# Altium PCB viper_eagle_modern.PcbDoc (part 3 of 4)
Units mm, origin at the board's own origin, x right, y up, seen from the top; angles counter-clockwise.
Board outline 285.4 x 100.2 mm, 2 copper layers (Component Side, Bottom Layer), stack 1.571 mm thick; 350 components, 202 nets, 1207 pads, 313 vias.
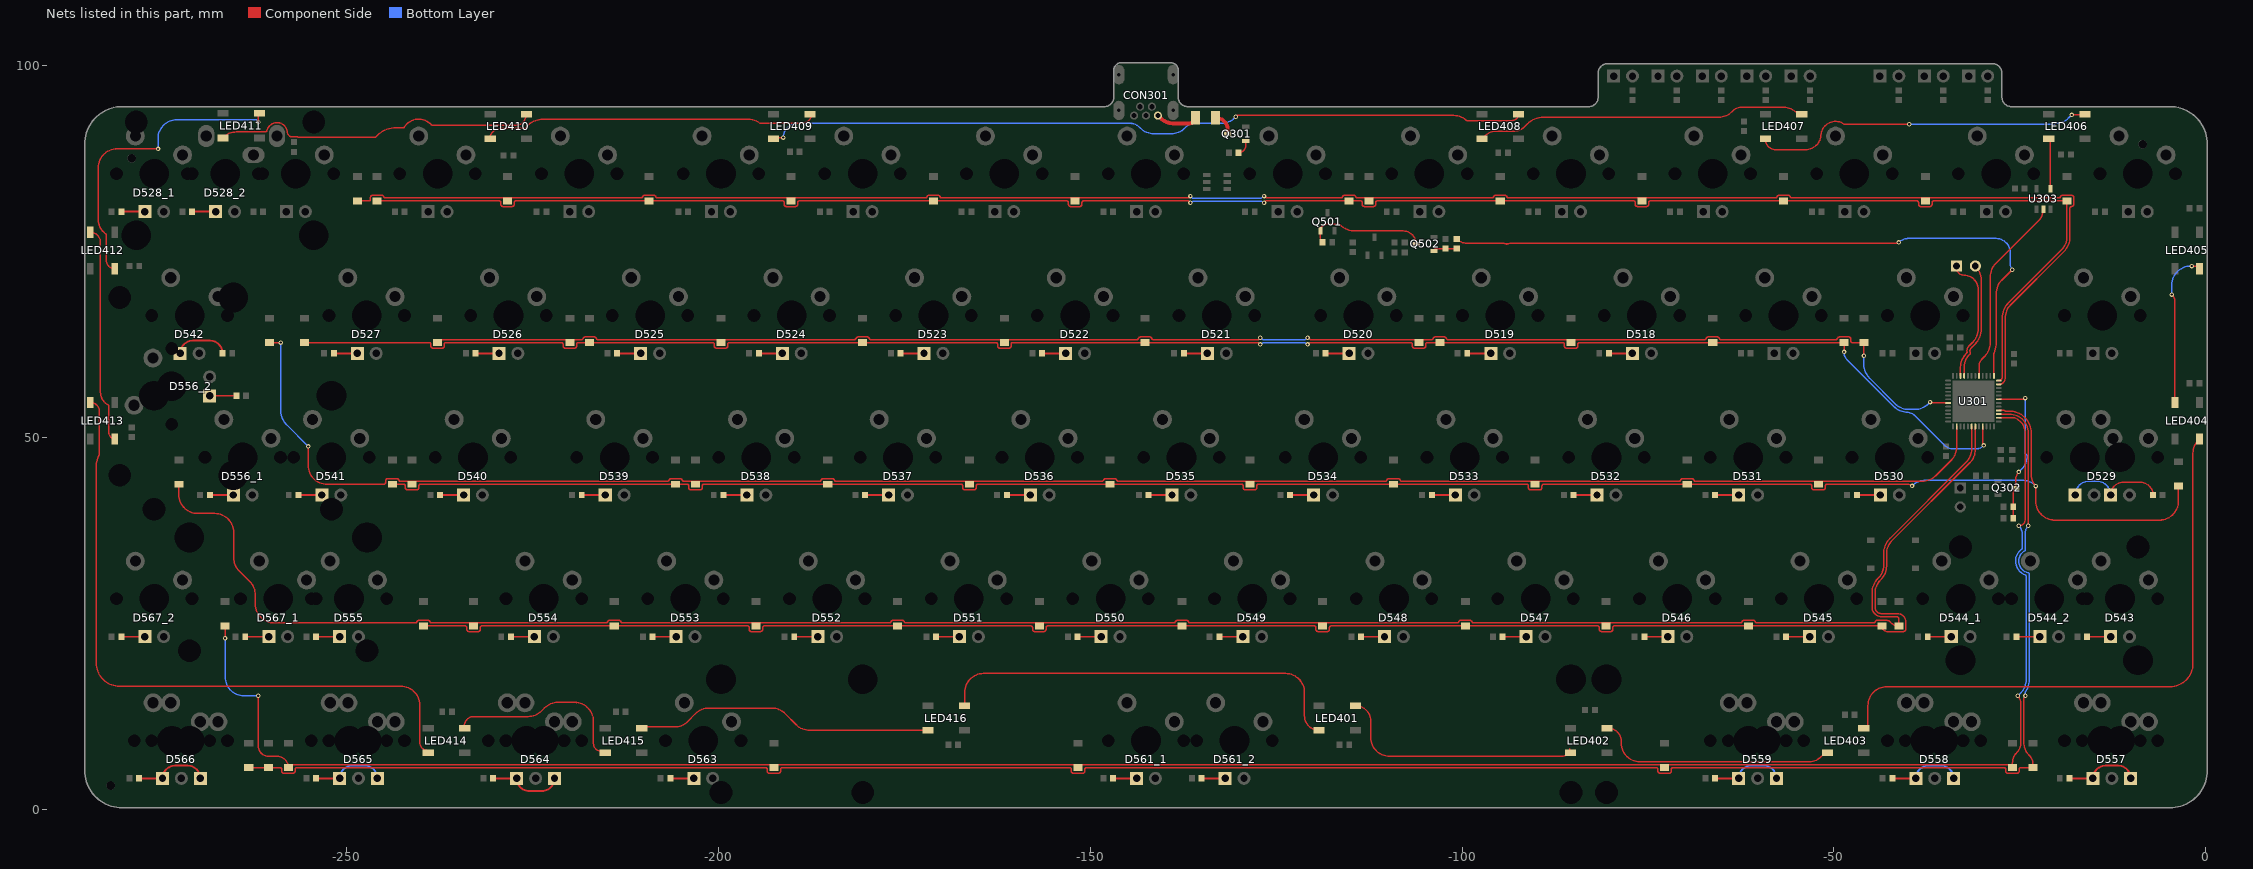
[diagram p3: the nets of this part, all layers, seen from the top]

## Via types
v1: diameter 0.6, hole 0.3, Component Side to Bottom Layer, tented both sides, 287 vias
v2: diameter 0.6, hole 0.3, Component Side to Bottom Layer, tented bottom, 25 vias
v3: diameter 1, hole 0.5, Component Side to Bottom Layer, tented both sides, 1 vias

## Nets (pads, with @x,y where several pads share a name; then routed paths per layer and width w, separated by ;. In a path a pad name is that pad's centre, name@x,y a point inside that pad or via, vN(x,y) a via of type N, cw(c..) or ccw(c..) an arc to the next point about the centre after c; other vN are vias at no path point) (continued)
NetD518_2: D518.2 R518.2 | length 3.2
  Component Side w0.254: R518.2@-80.255,61.285 D518.2@-77.095,61.285
NetD519_2: D519.2 R519.2 | length 3.2
  Component Side w0.254: R519.2@-99.305,61.285 D519.2@-96.145,61.285
NetD520_2: D520.2 R520.2 | length 3.2
  Component Side w0.254: R520.2@-118.355,61.285 D520.2@-115.195,61.285
NetD521_2: D521.2 R521.2 | length 3.2
  Component Side w0.254: R521.2@-137.405,61.285 D521.2@-134.245,61.285
NetD522_2: D522.2 R522.2 | length 3.2
  Component Side w0.254: R522.2@-156.455,61.285 D522.2@-153.295,61.285
NetD523_2: D523.2 R523.2 | length 3.2
  Component Side w0.254: R523.2@-175.505,61.285 D523.2@-172.345,61.285
NetD524_2: D524.2 R524.2 | length 3.2
  Component Side w0.254: R524.2@-194.555,61.285 D524.2@-191.395,61.285
NetD525_2: D525.2 R525.2 | length 3.2
  Component Side w0.254: R525.2@-213.605,61.285 D525.2@-210.445,61.285
NetD526_2: D526.2 R526.2 | length 3.2
  Component Side w0.254: R526.2@-232.655,61.285 D526.2@-229.495,61.285
NetD527_2: D527.2 R527.2 | length 3.2
  Component Side w0.254: R527.2@-251.705,61.285 D527.2@-248.545,61.285
NetD528_1_2: D528_1.2 R528_1.2 | length 3.2
  Component Side w0.254: R528_1.2@-280.274,80.335 D528_1.2@-277.114,80.335
NetD528_2_2: D528_2.2 R528_2.2 | length 3.2
  Component Side w0.254: R528_2.2@-270.749,80.335 D528_2.2@-267.589,80.335
NetD529_2: D529.2 R529.2 | length 14.5
  Component Side w0.203: D529.2@-12.801,42.235 cw(c-11.094,42.235) -11.094,43.942 -8.808,43.942 cw(c-8.808,42.235) R529.2@-7.101,42.235
  Bottom Layer w0.203: D529.2@-17.564,42.235 cw(c-15.73,42.235) -15.73,44.069 -14.635,44.069 cw(c-14.635,42.235) D529.2@-12.801,42.235
NetD530_2: D530.2 R530.2 | length 3.2
  Component Side w0.254: R530.2@-46.917,42.235 D530.2@-43.757,42.235
NetD531_2: D531.2 R531.2 | length 3.2
  Component Side w0.254: R531.2@-65.967,42.235 D531.2@-62.807,42.235
NetD532_2: D532.2 R532.2 | length 3.2
  Component Side w0.254: R532.2@-85.017,42.235 D532.2@-81.857,42.235
NetD533_2: D533.2 R533.2 | length 3.2
  Component Side w0.254: R533.2@-104.067,42.235 D533.2@-100.907,42.235
NetD534_2: D534.2 R534.2 | length 3.2
  Component Side w0.254: R534.2@-123.117,42.235 D534.2@-119.957,42.235
NetD535_2: D535.2 R535.2 | length 3.2
  Component Side w0.254: R535.2@-142.167,42.235 D535.2@-139.007,42.235
NetD536_2: D536.2 R536.2 | length 3.2
  Component Side w0.254: R536.2@-161.217,42.235 D536.2@-158.057,42.235
NetD537_2: D537.2 R537.2 | length 3.2
  Component Side w0.254: R537.2@-180.267,42.235 D537.2@-177.107,42.235
NetD538_2: D538.2 R538.2 | length 3.2
  Component Side w0.254: R538.2@-199.317,42.235 D538.2@-196.157,42.235
NetD539_2: D539.2 R539.2 | length 3.2
  Component Side w0.254: R539.2@-218.367,42.235 D539.2@-215.207,42.235
NetD540_2: D540.2 R540.2 | length 3.2
  Component Side w0.254: R540.2@-237.417,42.235 D540.2@-234.257,42.235
NetD541_2: D541.2 R541.2 | length 3.2
  Component Side w0.254: R541.2@-256.462,42.235 D541.2@-253.301,42.235
NetD542_2: D542.2 R542.2 | length 7.6
  Component Side w0.254: D542.2@-272.357,61.285 cw(c-270.651,61.285) -270.651,62.992 -268.364,62.992 cw(c-268.364,61.285) R542.2@-266.657,61.285
NetD543_2: D543.2 R543.2 | length 3.3
  Component Side w0.254: R543.2@-15.961,23.185 D543.2@-12.801,23.185 ccw(c-12.936,23.05) D543.2@-12.936,23.241
NetD544_1_2: D544_1.2 R544.2 | length 3.2
  Component Side w0.254: R544.2@-37.39,23.185 D544_1.2@-34.23,23.185
NetD544_2_2: D544_2.2 R554_2.2 | length 3.2
  Component Side w0.254: R554_2.2@-25.486,23.185 D544_2.2@-22.326,23.185
NetD545_2: D545.2 R545.2 | length 3.2
  Component Side w0.254: R545.2@-56.442,23.185 D545.2@-53.282,23.185
NetD546_2: D546.2 R546.2 | length 3.2
  Component Side w0.254: R546.2@-75.492,23.185 D546.2@-72.332,23.185
NetD547_2: D547.2 R547.2 | length 3.2
  Component Side w0.254: R547.2@-94.542,23.185 D547.2@-91.382,23.185
NetD548_2: D548.2 R548.2 | length 3.2
  Component Side w0.254: R548.2@-113.592,23.185 D548.2@-110.432,23.185
NetD549_2: D549.2 R549.2 | length 3.2
  Component Side w0.254: R549.2@-132.642,23.185 D549.2@-129.482,23.185
NetD550_2: D550.2 R550.2 | length 3.2
  Component Side w0.254: R550.2@-151.692,23.185 D550.2@-148.532,23.185
NetD551_2: D551.2 R551.2 | length 3.2
  Component Side w0.254: R551.2@-170.742,23.185 D551.2@-167.582,23.185
NetD552_2: D552.2 R552.2 | length 3.2
  Component Side w0.254: R552.2@-189.792,23.185 D552.2@-186.632,23.185
NetD553_2: D553.2 R553.2 | length 3.2
  Component Side w0.254: R553.2@-208.842,23.185 D553.2@-205.682,23.185
NetD554_2: D554.2 R554.2 | length 3.2
  Component Side w0.254: R554.2@-227.892,23.185 D554.2@-224.732,23.185
NetD555_2: D555.2 R555.2 | length 3.2
  Component Side w0.254: R555.2@-254.085,23.185 D555.2@-250.925,23.185
NetD556_1_2: D556_1.2 R556.2 | length 3.2
  Component Side w0.254: R556.2@-268.38,42.235 D556_1.2@-265.22,42.235
NetD556_2_2: D556_2.2 R556_2.2 | length 3.2
  Component Side w0.254: D556_2.2@-268.4,55.575 -265.24,55.575
NetD557_2: D557.2 R557.2 | length 10.2
  Component Side w0.254: R557.2@-18.342,4.135 D557.2@-15.182,4.135 cw(c-13.476,4.135) -13.476,5.842 -11.809,5.842 cw(c-11.809,4.135) D557.2@-10.102,4.135
NetD558_2: D558.2 R558.2 | length 10.2
  Component Side w0.254: R558.2@-42.149,4.135 D558.2@-38.989,4.135
  Bottom Layer w0.254: D558.2@-38.989,4.135 cw(c-37.282,4.135) -37.282,5.842 -35.616,5.842 cw(c-35.616,4.135) D558.2@-33.909,4.135
NetD559_2: D559.2 R559.2 | length 10.2
  Component Side w0.254: R559.2@-65.967,4.135 D559.2@-62.807,4.135
  Bottom Layer w0.254: D559.2@-62.807,4.135 cw(c-61.1,4.135) -61.1,5.842 -59.434,5.842 cw(c-59.434,4.135) D559.2@-57.727,4.135
NetD561_1_2: D561_1.2 R561_1.2 | length 3.2
  Component Side w0.254: R561_1.2@-146.929,4.135 D561_1.2@-143.769,4.135
NetD561_2_2: D561_2.2 R561_2.2 | length 3.2
  Component Side w0.254: R561_2.2@-135.023,4.135 D561_2.2@-131.863,4.135
NetD563_2: D563.2 R563.2 | length 3.2
  Component Side w0.254: R563.2@-206.461,4.135 D563.2@-203.301,4.135
NetD564_2: D564.2 R654.2 | length 10.2
  Component Side w0.254: R654.2@-230.273,4.135 D564.2@-227.113,4.135 ccw(c-225.406,4.135) -225.406,2.428 -223.74,2.428 ccw(c-223.74,4.135) D564.2@-222.033,4.135
NetD565_2: D565.2 R565.2 | length 10.2
  Component Side w0.254: R565.2@-254.08,4.135 D565.2@-250.92,4.135
  Bottom Layer w0.254: D565.2@-250.92,4.135 cw(c-249.213,4.135) -249.213,5.842 -247.547,5.842 cw(c-247.547,4.135) D565.2@-245.84,4.135
NetD566_2: D566.2 R566.2 | length 10.2
  Component Side w0.254: R566.2@-277.898,4.135 D566.2@-274.738,4.135 cw(c-273.031,4.135) -273.031,5.842 -271.365,5.842 cw(c-271.365,4.135) D566.2@-269.658,4.135
NetD567_1_2: D567_1.2 R567_1.2 | length 3.2
  Component Side w0.254: R567_1.2@-263.61,23.185 D567_1.2@-260.45,23.185
NetD567_2_2: D567_2.2 R567_2.2 | length 3.2
  Component Side w0.254: R567_2.2@-280.28,23.185 D567_2.2@-277.12,23.185
NetF301_1: F301.1 Q301.3 | length 3.1
  Component Side w0.508: F301.1@-133.143,92.964 cw(c-133.143,91.323) -131.502,91.323 Q301.3@-131.502,90.805
NetLED401_2: LED401.2 LED402.4 | length 34.2
  Component Side w0.203: LED401.2@-114.333,13.9 cw(c-114.333,11.842) -112.275,11.842 -112.275,9.634 ccw(c-109.735,9.634) -109.735,7.094 -106.553,7.094 -90.678,7.094 -86.543,7.094 ccw(c-86.543,8.129) -85.508,8.129
NetLED401_4: LED401.4 LED416.2 | length 56.5
  Component Side w0.203: LED416.2@-166.889,13.992 -166.889,15.7 cw(c-164.349,15.7) -164.349,18.24 -123.734,18.24 cw(c-123.734,15.7) -121.194,15.7 -121.194,12.561 ccw(c-119.233,12.561) LED401.4@-119.233,10.6
NetLED402_2: LED402.2 LED403.4 | length 33.2
  Component Side w0.203: LED402.2@-80.519,10.865 -80.316,10.865 cw(c-80.316,9.162) -78.613,9.162 -78.613,8.89 ccw(c-76.109,8.89) -76.109,6.386 -72.517,6.386 -66.929,6.386 -53.261,6.386 ccw(c-53.261,8.43) -51.816,6.985 cw(c-50.587,5.756) -50.587,7.494 LED403.4@-50.329,7.494
NetLED403_2: LED403.2 LED404.4 | length 80.5
  Component Side w0.203: LED403.2@-45.429,10.794 -45.429,13.922 cw(c-42.889,13.922) -42.889,16.462 -4.826,16.462 ccw(c-4.826,19.558) -1.73,19.558 -1.73,47.852 cw(c0.81,47.852) -0.986,49.649 LED404.4@-0.85,49.785
NetLED404_2: LED404.2 LED405.4 | length 21.3
  Component Side w0.203: v1(-4.571,69.178) cw(c-5.587,68.162) -4.15,68.162 LED404.2@-4.15,54.685 ; v1(-1.906,73.024) -1.209,73.024 cw(c-1.209,72.665) LED405.4@-0.85,72.665
  Bottom Layer w0.203: v1(-4.571,69.178) -4.571,70.484 cw(c-2.031,70.484) -2.031,73.024 v1(-1.906,73.024)
NetLED406_2: LED406.2 LED407.4 | length 46.1
  Component Side w0.203: LED407.4@-59.225,90.086 ccw(c-57.807,90.086) -57.807,88.668 -53.84,88.668 ccw(c-53.84,90.805) -51.953,89.802 ccw(c-53.84,90.805) -51.766,90.294 ccw(c-51.963,90.343) -51.76,90.357 cw(c-49.79,90.495) -51.332,91.728 cw(c-49.79,90.495) -50.388,92.377 ; -50.369,92.383 cw(c-49.79,90.495) -50.368,92.383 cw(c-49.79,90.495) -48.656,92.112 ccw(c-48.539,92.278) -48.539,92.075 -48.006,92.075 -44.455,92.075 v1(-39.878,92.075) ; v1(-18.033,93.344) v1(-18.033,93.344) LED406.2@-16.473,93.344
  Bottom Layer w0.203: v1(-39.878,92.075) -20.354,92.075 -20.227,92.202 ccw(c-20.227,94.742) -18.431,92.946 v1(-18.033,93.344)
NetLED406_4: LED406.4 U303.4 | length 6.9
  Component Side w0.203: LED406.4@-21.373,90.044 cw(c-21.373,89.565) -20.894,89.565 U303.4@-20.894,83.417
NetLED407_2: LED407.2 LED408.4 | length 43.8
  Component Side w0.203: LED408.4@-97.325,90.15 -97.041,90.434 cw(c-95.245,88.638) -95.245,91.178 -92.894,91.178 ccw(c-92.894,92.894) -91.68,91.68 -91.24,92.121 cw(c-89.052,89.931) -89.052,93.027 -65.506,93.027 ccw(c-65.506,95.567) -63.709,93.771 -63.596,93.884 ; -63.595,93.885 cw(c-62.445,92.733) -62.445,94.361 -56.769,94.361 cw(c-56.769,91.821) -54.973,93.617 LED407.2@-54.954,93.598
NetLED408_2: LED408.2 LED409.4 | length 102.8
  Component Side w0.203: LED409.4@-192.315,90.297 v1(-191.262,90.297) ; v1(-130.429,93.091) -130.333,93.187 cw(c-130.254,93.187) -130.254,93.266 -101.092,93.266 cw(c-101.092,90.805) -99.447,92.635 ccw(c-99.311,92.786) -99.311,92.583 -97.79,92.583 -93.292,92.583 ccw(c-93.292,93.45) LED408.2@-92.425,93.45
  Bottom Layer w0.203: v1(-191.262,90.297) cw(c-189.357,90.297) -189.357,92.202 -144.609,92.202 cw(c-144.609,90.468) -143.383,91.694 -143.238,91.549 ccw(c-141.442,93.345) -141.442,90.805 -139.101,90.805 ccw(c-139.101,93.345) -137.305,91.549 -137.287,91.567 cw(c-135.754,90.034) -135.754,92.202 -132.37,92.202 ccw(c-132.37,94.742) -130.574,92.946 v1(-130.429,93.091)
NetLED409_2: LED409.2 LED410.4 | length 45.6
  Component Side w0.203: LED410.4@-230.796,89.917 cw(c-229.146,89.917) -229.146,91.567 -227.076,91.567 -226.026,91.567 ccw(c-226.026,91.77) -225.865,91.646 ; -225.864,91.646 cw(c-223.611,89.917) -225.063,92.359 ; -225.062,92.359 cw(c-223.611,89.917) -223.611,92.758 -221.53,92.758 ccw(c-221.53,92.961) -221.506,92.759 cw(c-221.24,90.495) -220.974,92.759 ccw(c-220.95,92.961) -220.95,92.758 -204.089,92.758 -202.48,92.758 ccw(c-202.48,92.961) -202.456,92.759 cw(c-202.19,90.495) -201.924,92.759 ccw(c-201.9,92.961) -201.9,92.758 -195.961,92.758 cw(c-195.961,90.297) -194.457,92.244 ccw(c-194.333,92.405) -194.333,92.202 -188.811,92.202 ccw(c-188.811,93.598) LED409.2@-187.415,93.598
NetLED410_2: LED410.2 LED411.4 | length 45
  Component Side w0.203: LED411.4@-266.61,90.298 -266.602,90.306 cw(c-264.806,88.51) -264.806,91.05 -260.96,91.05 cw(c-260.96,90.748) -260.927,91.048 -260.927,91.059 -260.902,91.059 ccw(c-260.902,91.262) -260.705,91.215 ; -260.704,91.216 cw(c-259.34,90.895) -259.198,92.289 cw(c-259.34,90.895) -257.961,91.148 cw(c-259.34,90.895) -257.941,90.975 ccw(c-257.738,90.987) -257.935,90.937 ccw(c-257.111,91.148) -257.524,90.404 ccw(c-257.425,90.582) -257.425,90.379 -257.11,90.379 -256.623,90.379 cw(c-256.623,90.077) -256.514,90.358 ccw(c-256.441,90.548) -256.441,90.345 -253.506,90.345 -250.571,90.345 -246.183,90.345 ccw(c-246.184,90.548) -246.034,90.411 cw(c-243.332,87.955) -244.883,91.26 cw(c-243.332,87.955) -243.332,91.606 -242.824,91.606 -242.396,91.606 ccw(c-242.396,91.809) -242.224,91.702 cw(c-240.29,90.495) -238.61,92.036 ; -239.18,92.486 cw(c-240.29,90.495) -238.61,92.036 ; LED410.2@-225.896,93.217 cw(c-227.143,93.217) -227.143,91.97 -229.147,91.97 -238.46,91.97 cw(c-238.46,92.173) -238.609,92.035 cw(c-238.46,92.173) -238.61,92.036
NetLED411_2: LED411.2 LED412.4 | length 42
  Component Side w0.203: LED412.4@-281.15,72.665 cw(c-281.15,73.836) -282.321,73.836 -282.321,77.235 ccw(c-282.524,77.235) -282.374,77.371 -282.38,77.378 -282.381,77.379 cw(c-281.15,79.244) -283.385,79.244 -283.385,86.233 cw(c-280.845,86.233) -280.845,88.773 v1(-275.336,88.773) ; v1(-261.874,92.329) -261.874,93.434 cw(c-261.71,93.434) LED411.2@-261.71,93.598
  Bottom Layer w0.203: v1(-275.336,88.773) -275.336,90.17 cw(c-272.796,90.17) -272.796,92.71 -262.255,92.71 cw(c-262.255,92.329) v1(-261.874,92.329)
NetLED412_2: LED412.2 LED413.4 | length 29.4
  Component Side w0.203: LED412.2@-284.45,77.565 cw(c-284.45,76.198) -283.083,76.198 -283.083,56.062 ccw(c-281.15,56.062) -282.713,54.925 ccw(c-281.15,56.062) -282.049,54.351 cw(c-282.144,54.171) -281.94,54.177 cw(c-282.713,54.152) -281.94,54.152 -281.94,50.575 ccw(c-281.15,50.575) LED413.4@-281.15,49.785
NetLED413_2: LED413.2 LED414.4 | length 89.3
  Component Side w0.203: LED413.2@-284.45,54.685 cw(c-284.45,53.445) -283.21,53.445 -283.21,50.567 ; LED414.4@-239.051,7.875 cw(c-239.051,8.981) -240.157,8.981 -240.157,13.995 ccw(c-242.697,13.995) -242.697,16.535 -280.543,16.535 cw(c-280.543,19.631) -282.289,17.074 cw(c-280.543,19.631) -283.212,18.063 cw(c-280.543,19.631) -283.639,19.631 -283.639,46.228 cw(c-281.051,46.228) -283.241,47.606 ccw(c-283.413,47.714) -283.21,47.713 -283.21,50.565 ; -283.21,50.565 ccw(c-283.413,50.566) -283.21,50.567 ; -283.21,50.565 -283.21,50.567
NetLED414_2: LED414.2 LED415.4 | length 24.8
  Component Side w0.203: LED414.2@-234.151,11.175 cw(c-232.88,11.175) -232.88,12.446 -225.588,12.446 ccw(c-225.588,14.986) -223.792,13.19 -223.375,13.607 cw(c-221.579,11.811) -221.579,14.351 -219.329,14.351 cw(c-219.329,11.811) -217.308,13.35 cw(c-219.329,11.811) -216.789,11.811 -216.789,8.854 ccw(c-215.683,8.854) -215.916,7.773 ccw(c-215.683,8.854) LED415.4@-215.683,7.748
NetLED415_2: LED415.2 LED416.4 | length 40.8
  Component Side w0.203: LED415.2@-210.783,11.048 -205.904,11.048 ccw(c-205.904,13.588) -204.108,11.792 -203.055,12.845 cw(c-201.259,11.049) -201.259,13.589 -192.822,13.589 cw(c-192.822,11.049) -191.026,12.845 -189.525,11.344 ccw(c-187.729,13.14) -187.729,10.6 LED416.4@-171.789,10.6
NetQ301_1: Q301.1 R301.1 | length 2.1
  Component Side w0.203: R301.1@-130.033,88.265 ccw(c-130.033,89.196) -129.102,89.196 Q301.1@-129.102,89.855
NetQ501_1: Q501.1 Q502.3 R568.1 | length 16.2
  Component Side w0.203: R568.1@-118.76,76.2 cw(c-118.036,76.924) -119.06,76.924 Q501.1@-119.06,77.794 cw(c-118.241,77.794) -118.241,78.613 -116.589,78.613 cw(c-116.588,78.41) -116.451,78.56 ccw(c-114.328,80.899) -114.328,77.74 -107.916,77.74 cw(c-107.916,76) Q502.3@-106.176,76
NetQ502_1: Q502.1 R569.2 R570.1 | length 3.2
  Component Side w0.203: Q502.1@-103.776,75.05 cw(c-103.476,75.05) -103.476,75.35 R569.2@-100.711,75.35
NRST: C317.1 Q302.3 R303.2 U301.7 | length 20.4
  Component Side w0.203: U301.7@-27.842,55.114 -26.67,55.114 -24.677,55.114 ccw(c-24.677,55.662) v1(-24.29,55.275) ; C317.1@-25.893,39.131 -25.893,42.357 cw(c-24.708,42.357) Q302.3@-25.546,43.195 -25.546,44.373 cw(c-24.18,44.373) v1(-25.146,45.339)
  Bottom Layer w0.203: v1(-25.146,45.339) -24.747,45.738 ccw(c-26.543,47.534) -24.003,47.534 -24.29,47.821 v1(-24.29,55.275)
PA1: D202.2 D204.2 D206.2 D208.2 D210.2 D212.2 D214.2 U301.11 | length 262.9
  Component Side w0.203: D214.2@-248.539,81.78 -246.987,81.78 ccw(c-246.987,81.983) -246.784,81.983 -246.784,82.235 cw(c-246.482,82.235) -246.482,82.537 -245.262,82.537 cw(c-245.262,82.235) -244.974,82.325 ccw(c-244.78,82.386) -244.78,82.183 -242.697,82.183 -228.346,82.183 -210.388,82.183 ccw(c-210.388,82.386) -210.194,82.325 cw(c-209.906,82.235) -209.906,82.537 -208.686,82.537 cw(c-208.686,82.235) -208.398,82.325 ccw(c-208.204,82.386) -208.204,82.183 -203.835,82.183 -190.246,82.183 -172.161,82.183 ccw(c-172.161,82.386) -171.967,82.325 cw(c-171.679,82.235) -171.679,82.537 -170.459,82.537 cw(c-170.459,82.235) -170.171,82.325 ccw(c-169.977,82.386) -169.977,82.183 -161.163,82.183 -136.765,82.183 v1(-136.525,82.423) ; v1(-126.619,82.423) -126.379,82.183 -122.174,82.183 -116.281,82.183 ccw(c-116.281,82.386) -116.087,82.325 cw(c-115.799,82.235) -115.799,82.537 -114.579,82.537 cw(c-114.579,82.235) -114.291,82.325 ccw(c-114.097,82.386) -114.097,82.183 -113.867,82.183 -107.315,82.183 -95.961,82.183 ccw(c-95.961,82.386) -95.767,82.325 cw(c-95.479,82.235) -95.479,82.537 -94.259,82.537 cw(c-94.259,82.235) -93.971,82.325 ccw(c-93.777,82.386) -93.777,82.183 -77.978,82.183 -72.644,82.183 -57.861,82.183 ccw(c-57.861,82.386) -57.667,82.325 cw(c-57.379,82.235) -57.379,82.537 -56.159,82.537 cw(c-56.159,82.235) -55.871,82.325 ccw(c-55.677,82.386) -55.677,82.183 -39.116,82.183 -37.719,82.183 -19.761,82.183 ccw(c-19.761,82.386) -19.567,82.325 cw(c-19.279,82.235) -19.279,82.537 -18.059,82.537 cw(c-18.059,82.235) -17.757,82.235 -17.757,81.325 cw(c-18.059,81.325) -18.059,81.023 -18.063,81.023 ccw(c-18.063,80.82) -18.266,80.82 -18.266,76.996 cw(c-21.209,76.996) -19.127,74.915 -26.232,67.81 ccw(c-24.436,66.014) -26.976,66.014 -26.976,57.98 cw(c-27.842,57.98) -27.185,57.416 ccw(c-27.031,57.283) -27.204,57.39 cw(c-27.567,57.614) -27.453,57.203 ccw(c-27.398,57.007) -27.483,57.192 cw(c-27.842,57.98) U301.11@-27.842,57.114
  Bottom Layer w0.203: v1@-136.398,82.296 -136.271,82.169 -126.98,82.169 -126.726,82.423 v1(-126.619,82.423)
PA2: D201.2 D203.2 D205.2 D207.2 D209.2 D211.2 D213.2 U301.12 | length 261.9
  Component Side w0.203: D213.2@-245.872,81.78 -229.461,81.78 cw(c-229.461,81.577) -229.258,81.577 -229.258,81.325 ccw(c-228.956,81.325) -228.956,81.023 -227.736,81.023 ccw(c-227.736,81.325) -227.434,81.325 -227.434,81.577 cw(c-227.231,81.577) -227.231,81.78 D211.2@-209.296,81.78 -191.361,81.78 cw(c-191.361,81.577) -191.158,81.577 -191.158,81.325 ccw(c-190.856,81.325) -190.856,81.023 -189.636,81.023 ccw(c-189.636,81.325) -189.334,81.325 -189.334,81.577 cw(c-189.131,81.577) -189.131,81.78 D209.2@-171.069,81.78 -153.134,81.78 cw(c-153.134,81.577) -152.931,81.577 -152.931,81.325 ccw(c-152.629,81.325) -152.629,81.023 -151.409,81.023 ccw(c-151.409,81.325) -151.107,81.325 -151.107,81.577 cw(c-150.904,81.577) -150.904,81.78 -136.771,81.78 v1(-136.525,81.534) ; v1(-126.619,81.534) -126.373,81.78 D207.2@-115.189,81.78 -113.637,81.78 cw(c-113.637,81.577) -113.434,81.577 -113.434,81.325 ccw(c-113.132,81.325) -113.132,81.023 -111.912,81.023 ccw(c-111.912,81.325) -111.61,81.325 -111.61,81.577 cw(c-111.407,81.577) -111.407,81.78 D205.2@-94.869,81.78 -91.948,81.78 -76.934,81.78 cw(c-76.934,81.577) -76.731,81.577 -76.731,81.325 ccw(c-76.429,81.325) -76.429,81.023 -75.209,81.023 ccw(c-75.209,81.325) -74.907,81.325 -74.907,81.577 cw(c-74.704,81.577) -74.704,81.78 D203.2@-56.769,81.78 -38.834,81.78 cw(c-38.834,81.577) -38.631,81.577 -38.631,81.325 ccw(c-38.329,81.325) -38.329,81.023 -37.109,81.023 ccw(c-37.109,81.325) -36.807,81.325 -36.807,81.577 cw(c-36.604,81.577) -36.604,81.78 D201.2@-18.669,81.78 -18.669,76.996 cw(c-21.209,76.996) -19.413,75.199 -26.518,68.095 ccw(c-24.436,66.014) -27.379,66.014 -27.379,58.077 cw(c-27.842,58.077) U301.12@-27.842,57.614
  Bottom Layer w0.203: v1(-136.525,81.534) -136.449,81.61 -136.322,81.61 -136.166,81.766 -126.958,81.766 -126.726,81.534 v1(-126.619,81.534)
PA3: R569.1 U301.13 | length 93.3
  Component Side w0.203: R569.1@-100.711,76.65 ccw(c-99.318,78.043) -99.318,76.073 -94.459,76.073 cw(c-94.458,75.87) -94.384,76.059 ccw(c-93.98,77.089) -93.576,76.059 cw(c-93.502,75.87) -93.501,76.073 -41.582,76.073 ccw(c-41.582,76.507) v1(-41.275,76.2) ; U301.13@-28.492,58.264 -28.492,59.309 -28.492,61.236 cw(c-28.289,61.236) -28.474,61.318 ccw(c-31.532,62.678) -28.194,62.44 cw(c-27.991,62.425) -28.194,62.445 ccw(c-29.843,62.609) -28.186,62.609 -28.186,69.314 cw(c-25.646,69.314) -27.442,71.11 v1(-26.035,72.517)
  Bottom Layer w0.203: v1(-41.275,76.2) cw(c-39.995,74.92) -41.194,76.276 cw(c-39.995,74.92) -40.695,76.589 cw(c-39.995,74.92) -40.278,76.708 cw(c-39.995,74.92) -39.995,76.73 -28.216,76.73 cw(c-28.216,74.803) -26.289,74.803 -26.289,73.194 ccw(c-25.422,73.194) v1@-26.036,72.581 ; v1(-26.035,72.517) v1@-26.035,72.58
"PA7 - MOSI": U301.17 U303.2 | length 25.6
  Component Side w0.203: U301.17@-30.492,58.264 -30.492,59.528 cw(c-29.048,59.528) -30.069,60.549 -29.736,60.882 ccw(c-31.532,62.678) -28.992,62.678 -28.992,71.556 cw(c-26.452,71.556) -28.248,73.352 -22.488,79.112 ccw(c-24.043,80.667) U303.2@-21.844,80.667
PA10: D216.2 D218.2 D220.2 D222.2 D224.2 D226.2 D228.2 U301.31 | length 212.4
  Component Side w0.203: v1(-127.127,63.373) -127.367,63.133 -141.529,63.133 cw(c-141.529,63.336) -141.723,63.275 ccw(c-142.011,63.185) -142.011,63.487 -143.231,63.487 ccw(c-143.231,63.185) -143.519,63.275 cw(c-143.713,63.336) -143.713,63.133 -158.623,63.133 -164.084,63.133 -179.502,63.133 cw(c-179.502,63.336) -179.696,63.275 ccw(c-179.984,63.185) -179.984,63.487 -181.204,63.487 ccw(c-181.204,63.185) -181.492,63.275 cw(c-181.686,63.336) -181.686,63.133 -197.104,63.133 -201.93,63.133 -216.205,63.133 cw(c-216.205,63.336) -216.399,63.275 ccw(c-216.687,63.185) -216.687,63.487 -217.907,63.487 ccw(c-217.907,63.185) -218.195,63.275 cw(c-218.389,63.336) -218.389,63.133 -236.771,63.133 ccw(c-236.771,61.757) D228.2@-237.556,62.887 ; v1(-120.777,63.373) -120.67,63.373 -120.43,63.133 -106.905,63.133 -105.791,63.133 -104.089,63.133 ccw(c-104.089,63.336) -103.895,63.275 cw(c-103.607,63.185) -103.607,63.487 -102.387,63.487 cw(c-102.387,63.185) -102.099,63.275 ccw(c-101.905,63.336) -101.905,63.133 -87.376,63.133 -77.724,63.133 -67.386,63.133 ccw(c-67.386,63.336) -67.192,63.275 cw(c-66.904,63.185) -66.904,63.487 -65.684,63.487 cw(c-65.684,63.185) -65.396,63.275 ccw(c-65.202,63.336) -65.202,63.133 -49.733,63.133 ccw(c-49.733,63.336) -49.539,63.275 cw(c-49.251,63.185) -49.251,63.487 -48.031,63.487 cw(c-48.031,63.185) -47.729,63.185 -47.729,62.933 ccw(c-47.526,62.933) -47.526,62.73 D216.2@-45.974,62.73 v1(-45.974,60.96) ; v1(-37.084,54.737) ccw(c-36.961,54.737) -36.961,54.614 U301.31@-34.642,54.614 ; D228.2@-237.556,62.887 ccw(c-236.771,61.757) D228.2@-237.744,62.73 cw(c-237.587,62.73) -237.587,62.887 D228.2@-237.556,62.887
  Bottom Layer w0.203: v1(-127.127,63.373) -127.02,63.373 -126.766,63.119 -121.138,63.119 -120.884,63.373 v1(-120.777,63.373) ; v1(-45.974,60.96) -45.974,59.764 ccw(c-43.434,59.764) -45.23,57.968 -41.749,54.487 ccw(c-39.953,56.283) -39.953,53.743 -39.13,53.743 ccw(c-39.13,56.283) -37.334,54.487 v1(-37.084,54.737)
PA15: D230.2 D232.2 D234.2 D236.2 D238.2 D240.2 D242.2 U301.38 | length 249.9
  Component Side w0.203: D242.2@-260.35,62.73 -260.35,62.738 v1(-258.826,62.738) ; v1(-255.143,48.768) -255.143,46.22 ccw(c-252.603,46.22) -252.603,43.68 -244.955,43.68 ccw(c-244.955,43.883) -244.752,43.883 -244.752,44.135 cw(c-244.45,44.135) -244.45,44.437 -243.23,44.437 cw(c-243.23,44.135) -242.942,44.225 ccw(c-242.748,44.286) -242.748,44.083 -242.518,44.083 -238.379,44.083 -206.832,44.083 ccw(c-206.832,44.286) -206.638,44.225 cw(c-206.35,44.135) -206.35,44.437 -205.13,44.437 cw(c-205.13,44.135) -204.842,44.225 ccw(c-204.648,44.286) -204.648,44.083 -203.073,44.083 -196.469,44.083 -186.385,44.083 ccw(c-186.385,44.286) -186.191,44.225 cw(c-185.903,44.135) -185.903,44.437 -184.683,44.437 cw(c-184.683,44.135) -184.395,44.225 ccw(c-184.201,44.286) -184.201,44.083 -173.228,44.083 -169.037,44.083 -164.338,44.083 -148.412,44.083 ccw(c-148.412,44.286) -148.218,44.225 cw(c-147.93,44.135) -147.93,44.437 -146.71,44.437 cw(c-146.71,44.135) -146.422,44.225 ccw(c-146.228,44.286) -146.228,44.083 -144.018,44.083 -111.379,44.083 -110.311,44.083 ccw(c-110.312,44.286) -110.118,44.225 cw(c-109.83,44.135) -109.83,44.437 -108.61,44.437 cw(c-108.61,44.135) -108.322,44.225 ccw(c-108.128,44.286) -108.128,44.083 -102.108,44.083 -75.057,44.083 -70.815,44.083 ; -70.814,44.083 ccw(c-70.815,44.286) -70.621,44.225 cw(c-70.333,44.135) -70.333,44.437 -69.113,44.437 cw(c-69.113,44.135) -68.825,44.225 ccw(c-68.631,44.286) -68.632,44.083 ; -68.631,44.083 -52.07,44.083 -38.122,44.083 ccw(c-38.122,46.623) -36.326,44.827 -34.236,46.917 ccw(c-36.032,48.713) -33.492,48.713 -33.492,50.639 U301.38@-33.492,51.464
  Bottom Layer w0.203: v1(-258.826,62.738) -258.826,53.503 ccw(c-256.286,53.503) -258.082,51.707 v1(-255.143,48.768)
PB6: D244.2 D246.2 D248.2 D250.2 D252.2 D254.2 D256.2 U301.42 | length 282.2
  Component Side w0.203: D256.2@-272.542,43.68 -272.542,42.291 ccw(c-270.002,42.291) -270.002,39.751 -267.716,39.751 cw(c-267.716,37.211) -265.176,37.211 -265.176,33.818 ccw(c-262.636,33.818) -265.176,33.782 ccw(c-262.636,33.818) -264.432,32.022 -262.999,30.589 cw(c-264.795,28.793) -262.255,28.793 -262.255,27.573 ccw(c-259.715,27.573) -259.715,25.033 -258.318,25.033 -240.741,25.033 ccw(c-240.741,25.236) -240.547,25.175 cw(c-240.259,25.085) -240.259,25.387 -239.039,25.387 cw(c-239.039,25.085) -238.751,25.175 ccw(c-238.557,25.236) -238.557,25.033 -232.918,25.033 -228.473,25.033 -215.087,25.033 ccw(c-215.087,25.236) -214.893,25.175 cw(c-214.605,25.085) -214.605,25.387 -213.385,25.387 cw(c-213.385,25.085) -213.097,25.175 ccw(c-212.903,25.236) -212.903,25.033 -176.987,25.033 ccw(c-176.987,25.236) -176.793,25.175 cw(c-176.505,25.085) -176.505,25.387 -175.285,25.387 cw(c-175.285,25.085) -174.997,25.175 ccw(c-174.803,25.236) -174.803,25.033 -138.76,25.033 ccw(c-138.76,25.236) -138.566,25.175 cw(c-138.278,25.085) -138.278,25.387 -137.058,25.387 cw(c-137.058,25.085) -136.77,25.175 ccw(c-136.576,25.236) -136.576,25.033 -118.745,25.033 -105.156,25.033 -100.66,25.033 ccw(c-100.66,25.236) -100.466,25.175 cw(c-100.178,25.085) -100.178,25.387 -98.958,25.387 cw(c-98.958,25.085) -98.67,25.175 ccw(c-98.476,25.236) -98.476,25.033 -62.56,25.033 ccw(c-62.56,25.236) -62.366,25.175 cw(c-62.078,25.085) -62.078,25.387 -60.858,25.387 cw(c-60.858,25.085) -60.57,25.175 ccw(c-60.376,25.236) -60.376,25.033 -44.653,25.033 ccw(c-44.653,25.236) -44.459,25.175 cw(c-44.171,25.085) -44.171,25.387 -42.951,25.387 cw(c-42.951,24.681) -42.452,25.18 -42.291,25.019 ccw(c-41.352,25.958) -41.352,24.63 D244.2@-41.275,24.63 -41.275,25.551 ccw(c-41.609,25.551) -41.609,25.886 -43.609,25.886 cw(c-43.609,27.153) -44.876,27.153 -44.876,29.075 cw(c-42.054,29.075) -44.232,30.868 -44.208,30.893 ccw(c-44.351,31.037) -44.195,30.907 cw(c-41.933,29.024) -44.014,31.105 -43.956,31.163 ccw(c-45.466,32.675) -43.568,31.693 ccw(c-45.466,32.675) -43.335,32.523 ; -43.394,32.153 ccw(c-45.466,32.675) -43.335,32.523 ; U301.42@-31.492,51.464 -31.492,50.639 -31.492,48.432 cw(c-34.032,48.432) -32.236,46.636 -42.468,36.404 ccw(c-40.386,34.324) -43.329,34.324 -43.329,32.675 cw(c-45.466,32.675) -43.335,32.523
PB7: D243.2 D245.2 D247.2 D249.2 D251.2 D253.2 D267.2 U301.43 | length 241
  Component Side w0.203: D267.2@-239.649,24.63 -234.033,24.63 cw(c-234.033,24.427) -233.83,24.427 -233.83,24.175 ccw(c-233.528,24.175) -233.528,23.873 -232.308,23.873 ccw(c-232.308,24.175) -232.006,24.175 -232.006,24.427 cw(c-231.803,24.427) -231.803,24.63 D253.2@-213.995,24.63 -196.06,24.63 cw(c-196.06,24.427) -195.857,24.427 -195.857,24.175 ccw(c-195.555,24.175) -195.555,23.873 -194.335,23.873 ccw(c-194.335,24.175) -194.033,24.175 -194.033,24.427 cw(c-193.83,24.427) -193.83,24.63 D251.2@-175.895,24.63 -157.96,24.63 cw(c-157.96,24.427) -157.757,24.427 -157.757,24.175 ccw(c-157.455,24.175) -157.455,23.873 -156.235,23.873 ccw(c-156.235,24.175) -155.933,24.175 -155.933,24.427 cw(c-155.73,24.427) -155.73,24.63 D249.2@-137.668,24.63 -119.86,24.63 cw(c-119.86,24.427) -119.657,24.427 -119.657,24.175 ccw(c-119.355,24.175) -119.355,23.873 -118.135,23.873 ccw(c-118.135,24.175) -117.833,24.175 -117.833,24.427 cw(c-117.63,24.427) -117.63,24.63 D247.2@-99.568,24.63 -81.76,24.63 cw(c-81.76,24.427) -81.557,24.427 -81.557,24.175 ccw(c-81.255,24.175) -81.255,23.873 -80.035,23.873 ccw(c-80.035,24.175) -79.733,24.175 -79.733,24.427 cw(c-79.53,24.427) -79.53,24.63 D245.2@-61.468,24.63 D243.2@-43.561,24.63 ccw(c-42.804,24.63) -42.804,23.873 -40.665,23.873 ccw(c-40.665,24.175) -40.452,23.961 ccw(c-40.665,24.175) -40.451,23.962 ccw(c-40.665,24.175) -40.363,24.175 -40.363,25.21 ccw(c-41.442,25.21) -41.442,26.289 -43.609,26.289 cw(c-43.609,27.153) -43.678,26.292 cw(c-43.609,27.153) -44.473,27.153 -44.473,29.024 cw(c-41.933,29.024) -43.729,30.82 -43.67,30.879 ccw(c-45.466,32.675) -42.926,32.675 -42.926,34.324 cw(c-40.386,34.324) -42.182,36.12 -31.736,46.566 ccw(c-33.532,48.362) -30.992,48.362 -30.992,50.639 U301.43@-30.992,51.464
PB8: D215.2 D217.2 D219.2 D221.2 D223.2 D225.2 D227.2 U301.45 | length 242.3
  Component Side w0.203: D227.2@-255.651,62.73 -238.859,62.73 cw(c-238.859,62.527) -238.656,62.527 -238.656,62.275 ccw(c-238.354,62.275) -238.354,61.973 -237.134,61.973 ccw(c-237.134,62.275) -236.832,62.275 -236.832,62.611 cw(c-236.659,62.505) -236.749,62.687 cw(c-236.568,62.324) -236.568,62.73 -221.079,62.73 cw(c-221.079,62.527) -220.876,62.527 -220.876,62.275 ccw(c-220.574,62.275) -220.574,61.973 -219.354,61.973 ccw(c-219.354,62.275) -219.052,62.275 -219.052,62.527 cw(c-218.849,62.527) -218.849,62.73 D225.2@-217.297,62.73 -200.759,62.73 cw(c-200.759,62.527) -200.556,62.527 -200.556,62.275 ccw(c-200.254,62.275) -200.254,61.973 -199.034,61.973 ccw(c-199.034,62.275) -198.732,62.275 -198.732,62.527 cw(c-198.529,62.527) -198.529,62.73 D223.2@-180.594,62.73 -162.659,62.73 cw(c-162.659,62.527) -162.456,62.527 -162.456,62.275 ccw(c-162.154,62.275) -162.154,61.973 -160.934,61.973 ccw(c-160.934,62.275) -160.632,62.275 -160.632,62.527 cw(c-160.429,62.527) -160.429,62.73 D221.2@-142.621,62.73 -127.373,62.73 v1(-127.127,62.484) ; v1(-120.777,62.484) -120.67,62.484 -120.424,62.73 -106.906,62.73 cw(c-106.906,62.527) -106.703,62.527 -106.703,62.275 ccw(c-106.401,62.275) -106.401,61.973 -105.181,61.973 ccw(c-105.181,62.275) -104.879,62.275 -104.879,62.527 cw(c-104.676,62.527) -104.676,62.73 D219.2@-102.997,62.73 -86.459,62.73 cw(c-86.459,62.527) -86.256,62.527 -86.256,62.275 ccw(c-85.954,62.275) -85.954,61.973 -84.734,61.973 ccw(c-84.734,62.275) -84.432,62.275 -84.432,62.527 cw(c-84.229,62.527) -84.229,62.73 D217.2@-66.294,62.73 D215.2@-48.641,62.73 v1(-48.641,61.468) ; U301.45@-29.992,51.464 -29.992,50.639 -29.992,49.25 ccw(c-29.49,49.25) v1(-29.845,48.895)
  Bottom Layer w0.203: v1(-127.127,62.484) -127.02,62.484 -126.788,62.716 -121.116,62.716 -120.884,62.484 v1(-120.777,62.484) ; v1(-48.641,61.468) ccw(c-47.049,61.468) -48.175,60.343 -43.065,55.233 -42.034,54.201 ccw(c-39.953,56.283) -40.051,53.342 cw(c-40.058,53.139) -40.029,53.34 cw(c-40.257,51.729) -39.107,52.879 -35.048,48.82 ccw(c-33.873,50.419) -33.873,48.435 -30.957,48.435 ccw(c-30.957,50.007) v1(-29.845,48.895) ; -40.257,53.356 ccw(c-39.953,56.283) -40.052,53.342
PB10: CON101.2 U301.21 | length 15.7
  Component Side w0.203: U301.21@-32.492,58.264 -32.492,59.501 cw(c-30.333,59.501) -31.86,61.027 -31.777,61.11 cw(c-30.07,59.678) -31.719,61.177 ccw(c-31.869,61.314) -31.679,61.385 cw(c-31.115,61.595) -31.502,62.055 ccw(c-31.896,62.517) -31.467,62.088 -31.064,62.491 ccw(c-33.145,64.572) -30.202,64.572 -30.202,71.186 ccw(c-32.742,71.186) -30.946,72.983 CON101.2@-30.988,73.025
PB11: CON101.1 U301.22 | length 17.6
  Component Side w0.203: CON101.1@-33.528,73.025 -33.528,73.023 ccw(c-31.496,73.023) -33.394,72.296 ccw(c-32.536,72.795) -32.536,71.803 cw(c-32.536,69.872) -31.221,71.286 cw(c-32.536,69.872) -30.605,69.872 -30.605,64.572 cw(c-33.145,64.572) -31.349,62.776 -31.752,62.374 cw(c-31.896,62.517) -31.763,62.363 cw(c-31.896,62.517) -31.764,62.362 ccw(c-31.115,61.595) -32.111,61.46 cw(c-32.312,61.432) -32.166,61.291 ; U301.22@-32.992,58.264 -32.992,59.413 cw(c-30.452,59.413) -32.248,61.209 -32.167,61.291 ccw(c-30.333,59.501) -32.461,60.927
PC13: D255.2 D258.2 D259.2 D260.2 D261.2 D263.2 U301.2 | length 309.4
  Component Side w0.203: v1(-266.319,22.987) D255.2@-266.319,24.63 ; v1(-261.874,15.24) -261.874,8.509 ccw(c-260.477,8.509) -260.477,7.112 -259.342,7.112 cw(c-259.342,5.58) D263.2@-257.81,5.58 -257.81,5.983 D258.2@-26.001,5.983 ; U301.2@-27.842,52.614 -27.017,52.614 -25.813,52.614 cw(c-25.812,52.411) -25.747,52.603 cw(c-26.416,50.574) -24.838,52.015 cw(c-26.416,50.574) -24.279,50.574 -24.279,38.967 cw(c-25.146,38.967) v1(-25.146,38.1) ; D258.2@-26,5.58 -26,6.171 cw(c-23.951,6.171) -25.4,7.62 ccw(c-26.626,8.846) -24.892,8.846 -24.892,14.32 ccw(c-26.193,14.32) v1(-25.273,15.24)
  Bottom Layer w0.203: v1(-266.319,22.987) -266.319,17.78 ccw(c-263.779,17.78) -263.779,15.24 v1(-261.874,15.24) ; v1(-25.273,15.24) -24.896,15.617 ccw(c-26.692,17.413) -24.152,17.413 -24.152,31.303 ccw(c-24.355,31.304) -24.285,31.494 cw(c-23.596,33.345) -24.776,34.929 ccw(c-24.897,35.092) -24.694,35.093 -24.694,37.009 ccw(c-26.237,37.009) v1(-25.146,38.1)
PC14: D257.2 D262.2 D264.2 U301.3 | length 297.3
  Component Side w0.203: D264.2@-263.144,5.58 D262.2@-260.477,5.58 -258.925,5.58 cw(c-258.925,5.377) -258.722,5.377 -258.722,5.125 ccw(c-258.42,5.125) -258.42,4.823 -257.2,4.823 ccw(c-257.2,5.125) -256.898,5.125 -256.898,5.377 cw(c-256.695,5.377) -256.695,5.58 -193.647,5.58 cw(c-193.647,5.377) -193.444,5.377 -193.444,5.125 ccw(c-193.142,5.125) -193.142,4.823 -191.922,4.823 ccw(c-191.922,5.125) -191.62,5.125 -191.62,5.377 cw(c-191.417,5.377) -191.417,5.58 -152.753,5.58 cw(c-152.753,5.377) -152.55,5.377 -152.55,5.125 ccw(c-152.248,5.125) -152.248,4.823 -151.028,4.823 ccw(c-151.028,5.125) -150.726,5.125 -150.726,5.377 cw(c-150.523,5.377) -150.523,5.58 -73.886,5.58 cw(c-73.886,5.377) -73.683,5.377 -73.683,5.125 ccw(c-73.381,5.125) -73.381,4.823 -72.161,4.823 ccw(c-72.161,5.125) -71.859,5.125 -71.859,5.377 cw(c-71.656,5.377) -71.656,5.58 -27.115,5.58 cw(c-27.115,5.377) -26.912,5.377 -26.912,5.125 ccw(c-26.61,5.125) -26.61,4.823 -25.39,4.823 ccw(c-25.39,5.125) -25.088,5.125 -25.088,5.377 cw(c-24.885,5.377) -24.885,5.58 D257.2@-23.241,5.58 -23.241,6.013 ccw(c-24.975,6.013) -23.749,7.239 -23.755,7.245 cw(c-21.982,9.017) -24.489,9.017 -24.489,14.68 cw(c-23.697,14.68) v1(-24.257,15.24) ; U301.3@-27.842,53.114 -26.716,53.114 -26.416,53.114 cw(c-26.416,50.574) -23.876,50.574 v1(-23.876,38.1)
  Bottom Layer w0.203: v1(-24.257,15.24) -24.257,15.699 cw(c-24.054,15.699) -24.224,15.809 ccw(c-26.692,17.413) -23.749,17.413 -23.749,31.605 ccw(c-23.952,31.606) -23.911,31.805 cw(c-23.596,33.345) -24.291,34.755 -24.291,37.098 cw(c-22.874,37.098) v1(-23.876,38.1)
PC15: D229.2 D231.2 D233.2 D235.2 D237.2 D239.2 D241.2 U301.4 | length 268
  Component Side w0.203: D241.2@-243.84,43.68 -242.435,43.68 cw(c-242.435,42.545) -242.255,43.666 cw(c-242.288,43.465) -242.085,43.466 cw(c-242.288,43.465) -242.085,43.464 -242.085,43.225 ccw(c-241.783,43.225) -241.783,42.923 -240.563,42.923 ccw(c-240.563,43.225) -240.261,43.225 -240.261,43.477 cw(c-240.058,43.477) -240.058,43.68 D239.2@-205.74,43.68 -204.188,43.68 cw(c-204.188,43.477) -203.985,43.477 -203.985,43.225 ccw(c-203.683,43.225) -203.683,42.923 -202.463,42.923 ccw(c-202.463,43.225) -202.161,43.225 -202.161,43.477 cw(c-201.958,43.477) -201.958,43.68 D237.2@-185.293,43.68 -167.358,43.68 cw(c-167.358,43.477) -167.155,43.477 -167.155,43.225 ccw(c-166.853,43.225) -166.853,42.923 -165.633,42.923 ccw(c-165.633,43.225) -165.331,43.225 -165.331,43.477 cw(c-165.128,43.477) -165.128,43.68 D235.2@-147.32,43.68 -129.639,43.68 cw(c-129.639,43.477) -129.436,43.477 -129.436,43.225 ccw(c-129.134,43.225) -129.134,42.923 -127.914,42.923 ccw(c-127.914,43.225) -127.612,43.225 -127.612,43.477 cw(c-127.409,43.477) -127.409,43.68 D233.2@-109.22,43.68 -91.285,43.68 cw(c-91.285,43.477) -91.082,43.477 -91.082,43.225 ccw(c-90.78,43.225) -90.78,42.923 -89.56,42.923 ccw(c-89.56,43.225) -89.258,43.225 -89.258,43.477 cw(c-89.055,43.477) -89.055,43.68 -70.278,43.68 cw(c-70.278,42.895) -69.723,43.45 cw(c-69.168,42.895) -69.168,43.68 -53.185,43.68 cw(c-53.185,43.477) -52.982,43.477 -52.982,43.225 ccw(c-52.68,43.225) -52.68,42.923 -51.46,42.923 ccw(c-51.46,43.225) -51.158,43.225 -51.158,43.477 cw(c-50.955,43.477) -50.955,43.68 -40.052,43.68 cw(c-40.052,42.895) v1(-39.497,43.45) ; U301.4@-27.842,53.614 -27.198,53.614 cw(c-27.198,53.34) -27.032,53.558 ccw(c-26.909,53.72) -26.924,53.517 -26.716,53.517 cw(c-26.716,53.114) -26.71,53.517 ccw(c-26.706,53.72) -26.706,53.517 -26.416,53.517 cw(c-26.416,50.574) -26.19,53.509 cw(c-26.416,50.574) -26.189,53.508 cw(c-26.416,50.574) -25.926,53.476 ; -25.52,53.378 ccw(c-26.416,50.574) -25.925,53.476 ; -23.953,52.186 cw(c-26.416,50.574) -23.473,50.574 -23.473,44.913 ccw(c-21.381,44.913) v1(-22.86,43.434) -22.86,41.402 ccw(c-20.32,41.402) -20.32,38.862 -6.223,38.862 ccw(c-6.223,41.402) -3.683,41.402 D229.2@-3.683,43.45 ; -23.954,52.186 ccw(c-26.416,50.574) -25.088,53.201 ccw(c-26.416,50.574) -25.925,53.476
  Bottom Layer w0.203: v1(-39.497,43.45) -39.459,43.488 cw(c-37.663,41.692) -37.663,44.232 -24.71,44.232 cw(c-24.71,41.692) -22.914,43.488 v1(-22.86,43.434)
RAW: CON301.1 F301.2 | length 5.6
  Component Side w0.508: CON301.1@-140.9,93.25 -140.596,92.946 ccw(c-138.8,94.742) -140.588,92.938 ccw(c-138.8,94.742) -139.087,92.218 cw(c-139.145,91.714) -139.057,92.214 ccw(c-138.85,93.4) -138.749,92.2 cw(c-138.707,91.694) -138.705,92.202 -136.779,92.202 ; -136.605,92.202 ccw(c-136.605,92.964) F301.2@-135.843,92.964